# Altium PCB Dart_Controller_PCB.PcbDoc (continued)
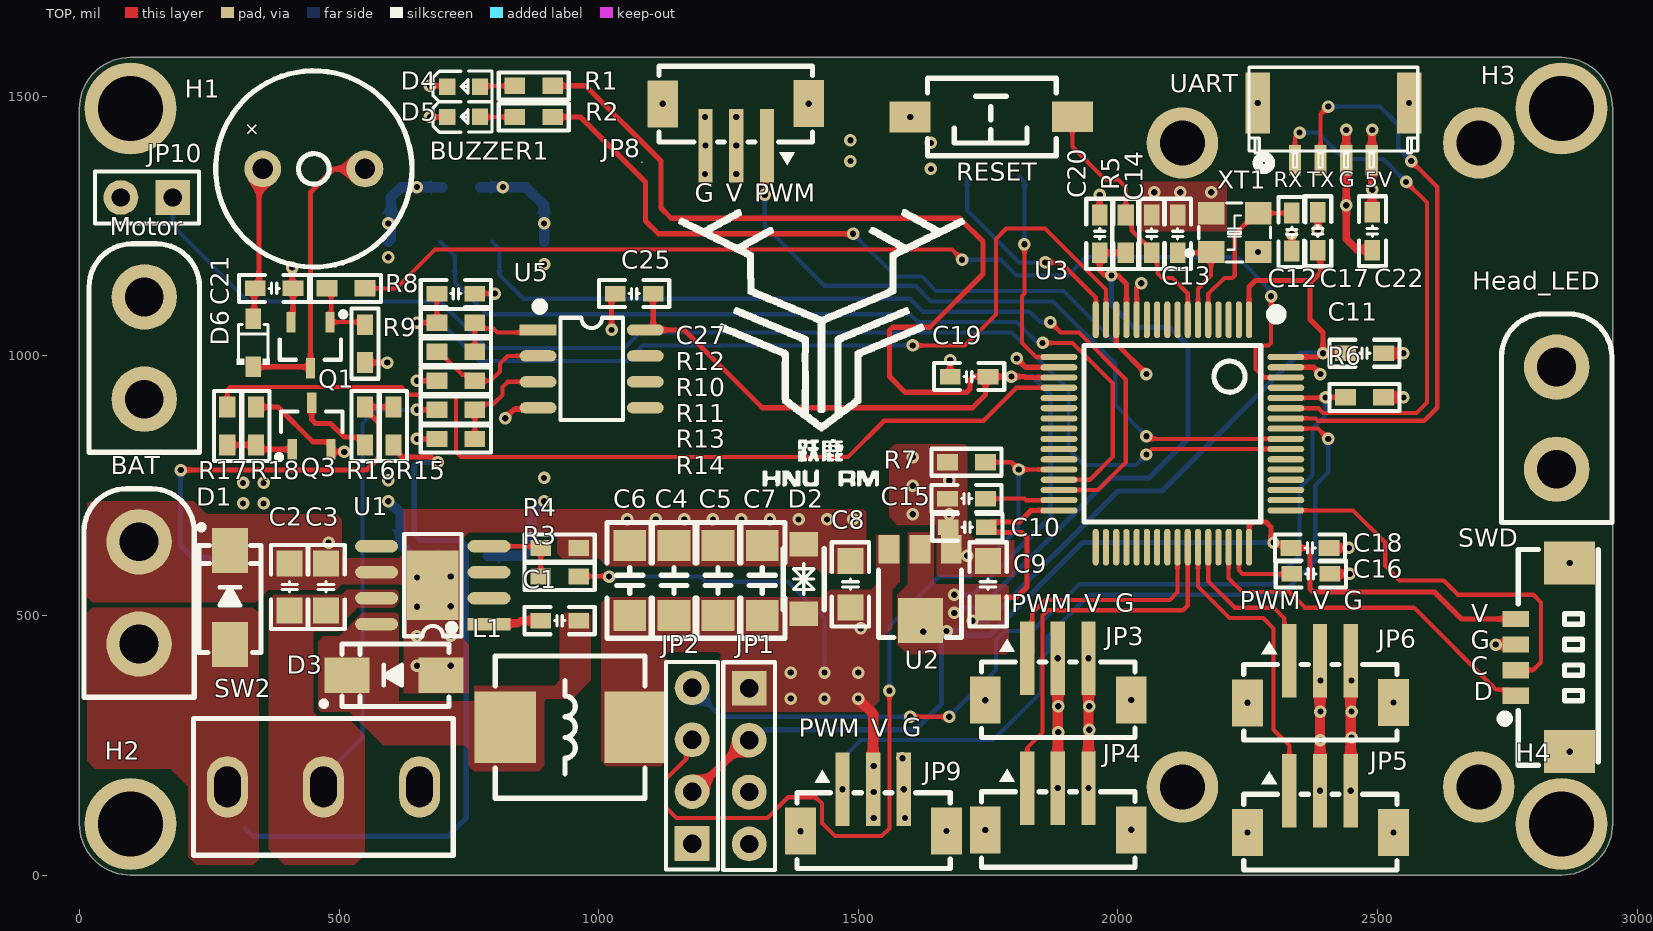
[diagram p0: TOP view]
## Footprints (in the part's own frame and the unit in brackets; to place one, negate y for a bottom-side part, rotate by r counter-clockwise, add the part's x,y. Pads: shape width x height; smd on the part's side, far side on the other; paste and mask are expansions set on the pad) (continued)
SMA [mm] "4.5x2.6*2.2mm（长宽高，不包括引脚）"
  rect 2.2x1.75 smd: 1(-2.3,0) 2(2.3,0)
  silkscreen extent -2.7,-1.52 3.56,1.52, body extent -2.53,-1.3 2.58,1.3, height 2.15
SOD-123FL_L2.8-W1.8-LS3.7-BI [mm]
  rect 1.2x1.4 smd paste+0 mask+0.051: 1(-1.7,0) 2(1.7,0)
  silkscreen extent -1.5,-1 1.5,1, body extent -1.9,-0.8 1.9,0.8, height 1.15
SOD-323_L1.8-W1.3-LS2.5-RD [mm]
  rect 1x0.75 smd: 1(-1.173,0) 2(1.173,0)
  silkscreen extent -1.08,-0.8 0.9,0.8, body extent -1.34,-0.63 1.31,0.67, height 1
SOP8_N [mm]
  rect 1.8x0.55 smd: 1(-2.625,1.905)
  oval 1.8x0.55 smd: 2(-2.625,0.635) 3(-2.625,-0.635) 4(-2.625,-1.905) 5(2.625,-1.905) 6(2.625,-0.635) 7(2.625,0.635) 8(2.625,1.905)
  silkscreen extent -2.69,-2.5 1.52,3.2, body extent -3,-2.5 3,2.5, height 1.9
SOT23-3L [mm] "3x1.3x1mm(长宽高)    封装库来自淘宝卖家 ID：黄晶宝石"
  rect 0.45x1 smd: 1(-0.95,-1.143) 2(0.95,-1.143) 3(0,1.125)
  silkscreen extent -1.73,-1.65 1.5,0.7, body extent -1.5,-1.2 1.5,1.2, height 1.05
SOT-89 [mil] "封装库来自淘宝卖家 ID：黄晶宝石"
  rect 40x55 smd: 1(-61.82,-0.57) 2(-1.82,-0.57) 3(58.18,-0.57)
  rect 86.61x86.61 smd: 2(-2.76,137.22)
  silkscreen extent -82,39 78,169, body extent -90,-6 87,163, height 59
SW-TH_SS-12D10L5 [mm]
  oval 2x3 hole 1.3 slot 2 at 90 deg paste-2539.97 mask+0.051: 1(-4.7,0) 2(0,0) 3(4.7,0)
  silkscreen extent -6.35,-3.35 6.35,3.35, body extent -6.5,-3.4 6.5,3.4, height 10.1
"TSW SMD-3*6*2.5" [mm] "3*6*2.5mm"
  rect 2x1.5 smd: 1(-3.996,-0.02) 2(3.937,0)
  silkscreen extent -3.21,-1.9 3.09,1.9, body extent -4,-1.88 4,1.62, height 2.59
XT30UPB-F [mm]
  round 3.2 hole 1.9: 1(-2.5,0) 2(2.5,0)
  silkscreen extent -5.1,-2.7 5.1,2.7, body extent -5.1,-2.6 5.1,2.6, height 9.4
XT30UPB-M [mm]
  round 3.2 hole 1.9: 1(-2.5,0) 2(2.5,0)
  silkscreen extent -5.1,-2.7 5.1,2.7, body extent -5.2,-2.7 5.2,2.6, height 12.6
XTAL_3225_4P [mm]
  rect 1.3x1.1 smd: 1(0,0) 2(2.3,0) 3(2.3,1.9) 4(0,1.9)
  silkscreen extent -1.18,-0.5 2.9,2.4, body extent -0.45,-0.29 2.75,2.21, height 0.8
ZH1.5 [mm]
  rect 0.7x3.6 smd paste+0 mask+0.05: 1(-1.391,1.843) 2(0.109,1.843) 3(1.609,1.843)
  rect 1.5x2.3 smd paste+0 mask+0.05: 4(3.701,-0.198) 5(-3.441,-0.207)
  silkscreen extent -3.62,-2.03 3.88,2.8, body extent -3.62,-2.24 3.88,2.96, height 5.1
铜柱孔#1 [mm]
  round 4.5 hole 3.2 mask+0: 1(-0.294,0.543)
铜柱孔#2 [mm]
  round 4.5 hole 3.2 mask+0: 1(-0.04,-0.04)
铜柱孔#3 [mm]
  round 4.5 hole 3.2 mask+0: 1(0,0)
铜柱孔#4 [mm]
  round 4.5 hole 3.2 mask+0: 1(0.157,0.087)

## Part data
BAT: "公头(立式)"
BUZZER1: "蜂鸣器", JLCPCB Part Class="Extended Part", Manufacturer=华能, Manufacturer Part=HNB09A05, nameAlias=Value, spicePre=B, spiceSymbolName=HNB09A05, Supplier=LCSC, Supplier Part=C96493
C1 C10 C11 C12 C13 C14 C15 C16 C17 C18 C19 C20 C21 C22 C23 C24 C25 C26 C27: library part "C 0603", "贴片电容", BOM名称=无极性贴片电容, 淘宝ID="封装库来自淘宝 ID：黄晶宝石", 联系售后=https://shop463601444.taobao.com
C2 C3 C8 C9: library part "C 0805", "贴片电容", BOM名称=无极性贴片电容, 淘宝ID="封装库来自淘宝 ID：黄晶宝石", 联系售后=https://shop463601444.taobao.com
C4 C5 C6 C7: library part "C 1206", "贴片电容", BOM名称=无极性贴片电容, 淘宝ID="封装库来自淘宝 ID：黄晶宝石", 联系售后=https://shop463601444.taobao.com
D1 D2: "双向瞬态电压抑制二极管"
D3: "肖特基二极管", BOM名称=肖特基二极管, 学习资源=https://shop463601444.taobao.com
D4 D5: library part LED_R, "发光二极管", LatestRevisionDate=08-Jul-2005, LatestRevisionNote="Mech Layer 1 removed.", PackageReference=LED-0, Published=8-Jun-2000, Publisher="Altium Limited"
D6: library part 1N4148WS, "开关二极管", BOM名称=肖特基二极管, 学习资源=https://shop463601444.taobao.com
H1 H2 H3 H4: library part 铜柱孔
Head_LED Motor: "母头(立式)"
JP1 JP2: "Header, 4-Pin", LatestRevisionDate=17-Jul-2002, LatestRevisionNote="Re-released for DXP Platform.", Publisher="Altium Limited"
JP3 JP4 JP5 JP6 JP8 JP9: JLCPCB Part Class="Extended Part", Manufacturer=HCTL(华灿天禄), Manufacturer Part=HC-ZH-3PLT, Contributor=LCSC, spicePre=C, spiceSymbolName=HC-ZH-3PLT, Supplier=LCSC, Supplier Part=C2845434
JP10: "Header, 2-Pin", LatestRevisionDate=17-Jul-2002, LatestRevisionNote="Re-released for DXP Platform.", Publisher="Altium Limited"
L1: "功率电感"
Q1 Q3: library part SS8050-SMD, "高频放大-NPN型", BOM名称=高频放大-NPN型, 属性="40V 1.5A 1W 100MHZ", 版权归属="封装库来自淘宝 ID：黄晶宝石", 联系售后=https://shop463601444.taobao.com
Q2: "P沟道场效应管"
R1 R2 R3 R4 R5 R6 R7 R8 R9 R10 R11 R12 R13 R14 R15 R16 R17 R18: library part "R 0603", "贴片电阻", BOM名称=贴片电阻, 版权归属="来自淘宝 ID：黄晶宝石", 联系售后=https://shop463601444.taobao.com
RESET: library part "TSW 3x6", "3x6轻触开关", BOM名称=3x6轻触开关, 学习资源=www.ooocke.com, 版权归属="封装库来自淘宝 ID：黄晶宝石"
SW2: "滑动开关", Manufacturer="XKB Connectivity(中国星坤)", Contributor=LCSC, Manufacturer Part=SS-12D10L5, spicePre=S, spiceSymbolName=SS-12D10L5, Supplier=LCSC, Supplier Part=C319012
SWD: JLCPCB Part Class="Extended Part", Manufacturer=HCTL(华灿天禄), Manufacturer Part=HC-1.25-4PLT, Contributor=LCSC, spicePre=C, spiceSymbolName=HC-1.25-4PLT, Supplier=LCSC, Supplier Part=C2845390
U1: "降压芯片"
U2: library part AMS1117-3.3V(SOT-89), "LDO", BOM名称=稳压芯片, 欢迎光临淘宝店铺=https://shop463601444.taobao.com, 淘宝ID="封装库来自淘宝 ID：黄晶宝石"
U3: "ARM Cortex-M4 32-bit MCU+FPU, 210 DMIPS, 1024 kB Flash, 192 kB Internal RAM, 51 I/Os, 64-pin LQFP, -40 to 85 degC, Tray", I/Os (High Current)=51, Manufacturer=STMicroelectronics, Operating Frequency(F) (Processor speed) (MHz)=168, Supplier Part Number 1=497-11767-ND, Supply Voltage(Vcc) max (V)=3.6, Supply Voltage(Vcc) min (V)=1.8, ComponentLink1Description="Manufacturer URL", ComponentLink1URL=http://www.st.com/web/en/home.html, ComponentLink2Description=Datasheet, ComponentLink2URL=http://www.st.com/st-web-ui/static/active/en/resource/technical/document/datasheet/DM00037051.pdf, ComponentLink3Description="Package Specification", ComponentLink3URL=http://www.st.com/st-web-ui/static/active/en/resource/technical/document/datasheet/DM00037051.pdf, Core="ARM Cortex-M4", D/A Converter=2x12-bit, DatasheetVersion="Rev. 4", FLASH Size (Prog) (kB)=1024, Internal RAM Size (kB)=192, Mounting Technology="Surface Mount", PackageDescription="64-Pin Low Profile Quad Flat Package, 10 x 10 mm Body, 0.5 mm Pitch", PackageReference=LQFP64, PackageVersion="Rev. 4, 06/2013", Packing=Tray, PartNumber=STM32F405RGT6, Supplier 1=Digi-Key, Supplier 2=Farnell, Supplier 3=Newark, Supplier 4=Mouser, Supplier Part Number 2=2064363, Supplier Part Number 3=73T2329, Supplier Part Number 4=511-STM32F405RGT6
U4: library part IMU
U5: "运算放大器", JLCPCB Part Class="Extended Part", Manufacturer=TI(德州仪器), Manufacturer Part=OPA365AIDBVR, Contributor=LCSC, spicePre=U, spiceSymbolName=OPA365AIDBVR, Supplier=LCSC, Supplier Part=C96626
U6: "数传"
UART: JLCPCB Part Class="Extended Part", Manufacturer=XUNPU(讯普), Manufacturer Part=WAFER-GH1.25-4PLB, Contributor=lcsc, spicePre=U, spiceSymbolName=WAFER-GH1.25-4PLB, Supplier=LCSC, Supplier Part=C3029370
XT1: library part X322512MSB4SI, "无源晶振/外接20pf负载电容"

## Free pads (board coordinates)
  round 137.8 hole 86.61 mask+0: 1(2124.13,169.84) 1(2124.13,1410) 1(2695,169.84) 1(2695,1410)

## Via types
v1: diameter 24, hole 12, TOP to BOTTOM, tented both sides, 157 vias
v2: diameter 24, hole 12, TOP to BOTTOM, 4 vias

## Nets (pads, with @x,y where several pads share a name; then routed paths per layer and width w, separated by ;. In a path a pad name is that pad's centre, name@x,y a point inside that pad or via, vN(x,y) a via of type N, cw(c..) or ccw(c..) an arc to the next point about the centre after c; other vN are vias at no path point)
BAT_V_ADC: C27.2 R12.2 U3.15 | length 1749.7
  TOP w8: v1(650,1064) R12.2 C27.2 ; v1(1605,1020) 1705,1020 1765,1080 1765,1225 1785,1245 1860,1245 1977.05,1127.95 U3.15
  BOTTOM w8: v1(650,1064) 696,1064 770,990 1055,990 1085,1020 v1(1605,1020)
BOOT0: JP2.4 R6.2 U3.60 | length 1796.3
  TOP w8: v1(1600,305) v1(1675,305) ; U3.60 2324.06,919.45 2399.45,919.45 v1(2400,920) R6.2
  BOTTOM w8: JP2.4 1235.71,305 v1(1600,305) ; v1(1675,305) 1765,395 1765,452.39 1782.61,470 1835,470 1925,560 2295,560 2350,615 2350,745 2375,770 2375,860 2400,885 v1(2400,920)
BOOT1: JP2.3 R7.2 U3.28 | length 1640.7
  TOP w8: JP2.3 1168.72,249.43 1168.72,223.72 1130,185 1130,130 1150,110 1325,110 1365,150 1417.66,150 1430,137.66 1430,100 1455,75 1545,75 1560,90 v1(1560,355) ; R7.2@1746.5,795 1795,795 v1(1808.9,781.1) U3.28
  BOTTOM w8: v1(1560,355) 1560,480 1655,575 1715,575 1808.9,668.9 v1(1808.9,781.1)
GND: BAT.2 C2.1 C3.1 C4.1 C5.1 C6.1 C7.1 C8.1 C9.1 C10.1 C11.1 C12.2 C13.2 C14.1 C15.2 C16.2 C17.1 C18.1 C19.1 C20.1 C21.2 C22.2 C23.1 C24.2 C25.1 C26.2 C27.1 D1.2 D2.2 D3.1 D4.1 D5.1 H1.1 H2.1 H3.1 H4.1 Head_LED.2 JP1.3 JP1.4 JP2.1 JP3.3 JP3.4 JP3.5 JP4.3 JP4.4 JP4.5 JP5.3 JP5.4 JP5.5 JP6.3 JP6.4 JP6.5 JP8.3 JP8.4 JP8.5 JP9.3 JP9.4 JP9.5 JP10.2 Motor.2 pad.1 Q1.2 Q3.2 R4.1 R6.1 R7.1 R9.1 R11.1 R14.1 R18.2 RESET.2 SWD.3 SWD.5 SWD.6 U1.6 U1.9 U2.1 U3.12 U3.18 U3.63 U4.5 U4.8 U5.4 U6.2 UART.3 UART.5 UART.6 XT1.2 XT1.4 | length 2426.9
  TOP w8: v1(650,840) R14.1 ; v1(650,952) R11.1 ; v1(675,1460) 675.14,1459.86 D5.1 ; v1(675,1520) 706.82,1520 D4.1 ; C27.1 v1(800,1120)
  TOP w10: R18.2 382.44,901.5 449.25,834.69 480.94,834.69 484.8,830.83 484.8,818.86 488.66,815 v1(510,815) ; Q1.2 407.6,1075.83 411.5,1079.73 C21.2 410,1131.5 v1(410,1170) ; R9.1 v1(593,987) v1@595,985 ; v1(820,880) 837.77,897.77 881.08,897.77 U5.4 ; v1(1025,1050) 1025,1113 C25.1 ; C19.1 v1(1677,992) ; v1(1805,995) 1822.05,977.95 U3.18 ; C20.1 v1(1965,1310) ; U3.12 2036.1,1131.1 v1(2045,1140) ; U3.63 2377.05,977.95 v1(2390,965) ; C12.2 v1(2335,1235) ; v1(2385,1241.5) C17.1
  TOP w15: C18.1 v1(2445,630) ; C16.2 v1(2446.5,580) ; v1(2440,1435) 2439.61,1434.61 UART.3 2439.8,1376.38 2439.8,1290.2 v1(2440,1290) 2439.61,1289.61 2439.61,1225.39 2460,1205 2488.5,1205 C22.2
  TOP w20: v1(1943.35,167.56) v1(1943.35,417.56) ; v1(2448.35,162.56) JP6.3 ; R6.1 v1(2550,920) ; C11.1 v1(2550,1005) ; v1(2727.5,444.06) SWD.3
  BOTTOM w20: C24.2 860,1325 895,1290 U4.5 ; C23.1 855,615 871.54,631.54 871.54,696.54 v1(895,720)
  other v1: 2249.53,81.85 2530.7,82.2 1388.83,84.65 1670,85 1744.53,86.85 2025.7,87.2 1590,110 1587.65,165.36 1585,225 2870,237.64 2450,265 1945,280 2450,315 1945,325 2249.53,331.85 2530.7,332.2 1744.53,336.85 2025.7,337.2 2450,375 650,403.33 715,403.33 650,460 715,460.56 650,516.67 715,517.78 650,573.33 715,575 2870,601.28 1710,615 480,640 1055,685 1110,685 1165,685 1220,685 1275,685 1330,685 1385,685 1440,685 1490,685 1605,695 1675,695 1605,750 1675,760 895,765 1605,805 895,1176.27 2270,1200 895,1255 2070,1315 2120,1315 2180,1315 815.75,1325 1205,1350 1640,1360 1205.94,1405 1640,1410 1205,1460 1600,1460 1123.59,1485.36 1404.76,1485.71 2269.33,1486.81 2560.67,1486.81
LED: R2.2 U3.14 | length 1521.1
  TOP w10: R2.2 965,1460 1090,1335 1090,1260 1115,1235 v1(1490,1235) ; U3.14 1996.73,1023.27 v1(2055,965)
  BOTTOM w8: v1(1490,1235) 1572.5,1152.5 1622.5,1152.5 1650,1125 1895,1125 v1(2055,965)
Motor_Power_Ctrl: R17.2 U3.20 | length 1809.8
  TOP w8: R17.2 285,935 290,940 620,940 635,925 720,925 725,920 725,815 735,805 1480,805 1550,875 1741.32,875 1804.9,938.58 U3.20
NetBUZZER1_2: BUZZER1.2 D6.1 Q1.3 | length 574.2
  TOP w10: D6.1 441.87,978.84 Q1.3 445,1315 490,1360 BUZZER1.2
NetC1_1: C1.1 D3.2 L1.1 U1.8
NetC1_2: C1.2 U1.1 | length 102.4
  TOP w15: U1.1 790.55,485 845,485 850,490 C1.2
NetC12_1: C12.1 U3.5 XT1.3 | length 321.5
  TOP w8: U3.5 2173.9,1118.9 2205,1150 2220.31,1150 2225,1154.69 2225,1233.74 2266.06,1274.8 XT1.3 2334.8,1274.8 C12.1
NetC13_1: C13.1 U3.6 XT1.1 | length 206
  TOP w8: C13.1 2177.95,1198.5 XT1.1 2179.45,1154.45 2154.21,1129.21 U3.6
NetC15_1: C15.1 U3.31 | length 142.7
  TOP w8: C15.1 1820,725 1822.95,722.05 U3.31
NetC16_1: C16.1 U3.47 | length 149.4
  TOP w8: U3.47 2232.95,587.05 2240,580 C16.1
NetD4_2: D4.2 R1.1 | length 67.6
  TOP w8: D4.2 772.9,1520 R1.1
NetD5_2: D5.2 R2.1 | length 67.1
  TOP w8: D5.2 771.61,1460 R2.1
NetQ1_1: Q1.1 R8.2 R9.2 | length 139.1
  TOP w8: R8.2 485,1122 485,1067.6 Q1.1 545,1065 R9.2
NetQ2_G: Q2.G R15.1 R16.2 | length 789.6
  TOP w10: v1(195,780) 552.8,780 576.75,803.94 576.75,870.5 550,897.25 R16.2 R15.1
  BOTTOM w10: v1(195,780) 195,635 218.11,611.89 249.25,611.89 260,601.15 Q2.G
NetQ3_1: Q3.1 R17.1 R18.1 | length 128.5
  TOP w10: R17.1 R18.1 348.5,820 Q3.1
NetQ3_3: Q3.3 R16.1 | length 157.1
  TOP w10: Q3.3 447.4,877.6 455,870 483.88,870 510.38,843.5 539.25,843.5 550,832.75 R16.1
NetR3_1: R3.1 R4.2 U1.4 | length 156
  TOP w8: U1.4 885.19,633.31 R4.2 R3.1
NetR10_1: R10.1 R11.2 U5.2 | length 246.7
  TOP w8: R10.1 692.75,1008 737,963.75 749.75,963.75 R11.2 792,952 810,970 810,985 825,1000 U5.2
NetR10_2: R10.2 R12.1 U5.1 | length 187.7
  TOP w8: R10.2 R12.1 773.25,1052.25 797.75,1052.25 805,1045 878.31,1045 U5.1
NetR13_2: R13.2 R14.2 U5.3 | length 209
  TOP w8: R14.2 R13.2 773.25,907.75 797.75,907.75 815,925 815,940 825,950 U5.3
RESET: C14.2 R5.1 RESET.1 U3.7 | length 509.7
  TOP w8: RESET.1 1912.31,1402.69 1975,1340 2000,1340 2015,1325 R5.1 2026.75,1259.75 2026.75,1241.75 2065,1203.5 C14.2 2076,1187.5 2076,1159 2085,1150 2105,1150 2134.53,1120.47 U3.7
SWCLK: SWD.2 U3.49 | length 761.6
  TOP w8: U3.49 2452.64,702.36 2515,640 2515,595 2542.5,567.5 2627.5,567.5 2655,540 2800,540 2815,525 2815,410 2799.85,394.85 SWD.2
SWDIO: SWD.1 U3.46 | length 706.1
  TOP w8: U3.46 2213.27,571.73 2240,545 2330,545 2360,515 2570,515 2727.61,357.39 2754.25,357.39 SWD.1
TIM1_CH1: JP3.1 U3.41 | length 474.5
  TOP w8: JP3.1 1835,427.33 1835,505 1860,530 2100,530 2114.84,544.84 U3.41
TIM1_CH2: JP4.1 U3.42 | length 744.2
  TOP w8: JP4.1 1825.74,168.07 1825.74,245.74 1855,275 1855,499.8 1865.2,510 2125,510 2134.53,519.53 U3.42
TIM1_CH3: JP5.1 U3.43 | length 579.9
  TOP w8: U3.43 2154.21,555.79 2215,495 2280,495 2300,475 2300,280 2330.24,249.76 JP5.1
TIM1_CH4: JP6.1 U3.44 | length 327.6
  TOP w8: U3.44 2173.9,566.1 2225,515 2300,515 2320.46,494.54 2320.46,422.34 JP6.1
TIM2_CH2: JP10.1 U3.55 | length 2493.9
  TOP w8: v1(2055,810) 2065.47,820.47 U3.55
  BOTTOM w8: JP10.1 180,1250 325,1105 695,1105 785,1015 1050,1015 1080,1045 1795,1045 1905,935 1905,820 1935,790 2035,790 v1(2055,810)
TIM3_CH1: JP8.1 U3.56 | length 1376.8
  TOP w8: v1(1320,1310) 1322.03,1312.03 1322.03,1402.97 JP8.1 ; v1(2055,845) 2058.79,845 2063.63,840.16 U3.56
  BOTTOM w8: v1(1320,1310) 1320,1250 1435,1135 1610,1135 1640,1105 1875,1105 1995,985 1995,905 v1(2055,845)
TIM3_CH2: JP9.1 U3.57 | length 1518.1
  TOP w8: U3.57 2385.16,859.84 v1(2405,840)
  BOTTOM w8: v1(1469.54,165.36) 1469.54,224.54 1505,260 1760,260 1852.5,352.5 1852.5,416.88 1865,429.38 1865,460.2 1944.8,540 2315,540 2380,605 2380,750 2405,775 v1(2405,840)
TIM4_CH4: R8.1 U3.62 | length 2078.5
  TOP w8: R8.1 610,1130 685,1205 1680.58,1205 1700,1185.58 v1(1700,1185) ; v1(2295,1115) 2295,1024.69 2290.31,1020 2269.69,1020 2265,1015.31 2265,975 2281.73,958.27 U3.62
  BOTTOM w8: v1(1700,1185) 1775,1185 1805,1155 1904.05,1155 1939.05,1190 2230,1190 2295,1125 v1(2295,1115)
UART1_RX: U3.59 UART.1 | length 1026.6
  TOP w8: U3.59 2385.79,899.21 2395,890 2575,890 2595,910 2595,1295 v1(2555,1335) ; UART.1 2341.18,1421.18 v1(2350,1430)
  BOTTOM w8: v1(2350,1430) 2385,1430 2435.97,1379.03 2510.97,1379.03 v1(2555,1335)
UART1_TX: U3.58 UART.2 | length 1138.8
  TOP w8: U3.58 2380.47,879.53 2385,875 2590,875 2615,900 2615,1325 v1(2565,1375) ; UART.2 2390.39,1465.39 v1(2405,1480)
  BOTTOM w8: v1(2405,1480) 2505,1480 2540,1445 2540,1400 v1(2565,1375)
UART2_RX: U3.17 U6.4 | length 409
  TOP w8: v1(1820,1215) 1820,1120.34 1815,1115.34 1815,1025 1842.36,997.64 U3.17
  BOTTOM w8: U6.4 1820,1335 v1(1820,1215)
UART2_TX: U3.16 U6.3 | length 424.8
  TOP w8: v1(1860,1180) 1890,1180 1957.36,1112.64 U3.16
  BOTTOM w8: U6.3 1710,1280 1810,1180 v1(1860,1180)
UART3_RX: U3.30 U4.4 | length 1669.6
  TOP w8: v1(1870,1065) 1890,1045 1925,1045 2015,955 2015,795 1961.73,741.73 U3.30
  BOTTOM w8: U4.4 809.26,1205.74 809.26,1155.74 855,1110 1600,1110 1625,1085 1830,1085 1850,1065 v1(1870,1065)
UART3_TX: U3.29 U4.3 | length 1701.3
  TOP w8: v1(1855,1025) 1912.57,1025 1990,947.57 1990,805 1946.42,761.42 U3.29
  BOTTOM w8: U4.3 723.46,1191.54 723.46,1141.54 785,1080 1600,1080 1615,1065 1805,1065 1842.32,1027.68 1852.32,1027.68 v1(1855,1025)
VBAT: BAT.1 D1.1 Q2.S R15.2 SW2.1 | length 1363.5
  TOP w10: R15.2 615.75,817.75 615.75,810.86 621.61,805 677.14,805 687.14,795 v1(690,795)
  BOTTOM w10: 320,90 335,75 710,75 745,110 745,635 735,645 655,645 645,655 645,789.14 650.86,795 v1(690,795)
VBAT_IN: C2.2 C3.2 R13.1 SW2.2 U1.7 | length 885.3
  TOP w8: v1(650,896) R13.1
  BOTTOM w8: SW2.2 470.04,189.68 545,264.64 545,870 571,896 v1(650,896)
VBAT_Motor: Motor.1 Q2.D
  other v2: 315.31,715.91 354.68,715.91 315.31,755.28 354.68,755.28
VCC_3V3: C9.2 C10.2 C11.2 C17.2 C18.2 C19.2 C20.2 C25.2 JP1.2 JP2.2 R1.2 R5.2 SWD.4 U2.2 U3.1 U3.13 U3.19 U3.32 U3.48 U3.64 U5.8 | length 8287.6
  TOP w10: R1.2 975,1520 1120,1375 1120,1285 1140,1265 1695,1265 1740,1220 1740,1157.47 1637.53,1055 1565.86,1055 1560,1049.14 1560,960 1590,930 1709.14,930 1715,935.86 1715,954.14 1720.86,960 C19.2 ; U5.8 U5.8@1099.62,1050 ; C25.2 1105,1055.38 U5.8@1099.62,1050 ; 1782.3,535 1805,535 1825,555 1825,650 1815,660 1756.5,660 C10.2 1756.5,680 1810,680 1832.36,702.36 U3.32 ; U3.19 1821.73,958.27 1820,960 v1(1795,960) C19.2 ; U3.13 2016.42,1138.58 2000,1155 v1(1987.5,1155) 1975,1155 1965,1165 C20.2 R5.2 R5.2@2016.42,1197.08 ; U3.48 2252.98,631.84 2252.98,672.98 2260,680 2285,680 2295,670 2295,645 2304.36,635.64 2327.86,635.64 C18.2 2364.14,630 2370,624.14 2370,550.86 2375.86,545 2610,545 2661.72,493.28 SWD.4 ; U3.1 2252.64,1132.64 2265,1145 2375,1145 ; U3.64 2383.85,997.64 2391.21,1005 v1(2395,1005) ; C17.2 2390,1198.5 2390,1160 2375,1145 ; C11.2 v1(2395,1005) ; U5.8@1099.62,1050 1165,1050 1315,900 1720,900 1745,925 1745,955 C19.2 ; 2375,1145 2370,1140 2370,1070 2395,1045 v1(2395,1005)
  TOP w15: JP2.2 1185.35,160.71 1284.65,260 JP1.2
  BOTTOM w10: JP1.2@1300,260 1320,280 1610,280 1660,330 1660,448.8 1642.74,466.07 1627.68,466.07 v1(1625,468.75) ; v1(1670,470) 1701.75,470 1710,461.75 1753.14,461.75 1931.72,640.32 v1(2299.68,640.32) ; v1(1685,505) 1687.86,505 1697.86,515 1735,515 1985,765 2060,765 2135,840 2135,1020 2100,1055 2030,1055 1987.5,1097.5 v1(1987.5,1155) ; v1(1685,540) 1720,540 1870,690 1870,925 1835,960 v1(1795,960) ; v1(1720,490) 1750,490 2000,740 2085,740 2350,1005 v1(2395,1005)
  BOTTOM w15: JP2.2@1174.74,165.96 JP2.2
VCC_5V: BUZZER1.1 C4.2 C5.2 C6.2 C7.2 C8.2 C21.1 C22.1 C23.2 C24.1 C26.1 D2.1 D6.2 Head_LED.1 JP1.1 JP3.2 JP4.2 JP5.2 JP6.2 JP8.2 JP9.2 L1.2 R3.2 U2.3 U4.2 U4.11 U6.1 UART.4 | length 2145
  TOP w8: R3.2 962.15,575.65 v1@1018.52,575.65
  TOP w10: D6.2@336.75,1072.91 C21.1@336.75,1128.25 ; C21.1@345.82,1135 BUZZER1.1@345.82,1352.68
  TOP w15: C22.1 2489.41,1277.09 2489.41,1375.98 UART.4 2489.41,1377.17 2489.41,1434.41 v1(2490,1435)
  TOP w20: D6.2 D6.2@336.75,1072.91 ; C21.1@336.75,1128.25 C21.1 340.82,1130 C21.1@345.82,1135 ; BUZZER1.1@345.82,1352.68 BUZZER1.1 ; v1(1500,340) 1500,338.92 1528.59,310.33 JP9.2 ; v1(1884.29,167.56) v1(1884.29,417.56) ; v1(2389.29,162.56) JP6.2
  BOTTOM w8: v1(1020,575) 1195,575 1205,565 1365,565 1435,495 v1(1435,390)
  BOTTOM w20: v1(595,720) 618.46,696.54 618.46,636.72 640.18,615 C23.2 ; U4.2 600,1225 600,1305 620,1325 C24.1
  other v1: 1530,110 1530,160 1530,210 2390,260 1885,275 2390,315 1885,325 1370,340 1435,340 2390,375 1370,390 1500,390 1505,475 595,760 595,1190 595,1255 2490,1320 650,1325 1265,1350 1485,1375 1265,1405 1485,1415 1265,1460
pads on no net: SW2.3 U1.2 U1.3 U1.5 U1.10 U1.11 U3.2 U3.3 U3.4 U3.8 U3.9 U3.10 U3.11 U3.21 U3.22 U3.23 U3.24 U3.25 U3.26 U3.27 U3.33 U3.34 U3.35 U3.36 U3.37 U3.38 U3.39 U3.40 U3.45 U3.50 U3.51 U3.52 U3.53 U3.54 U3.61 U4.1 U4.6 U4.7 U4.9 U4.10 U4.12 U5.5 U5.6 U5.7 U6.0 U6.5 U6.6 U6.7 U6.8

## Polygon pours and split planes (outlines as drawn)
GND on BOTTOM "GND_L04_P016" (solid, pour order 16): 860,715 1435,715 1465,685 1465,320 1460,315 1355,315 1335,335 1335,405 1305,435 860,435
VBAT_Motor on BOTTOM "VBAT_MOTOR_L04_P015" (solid, pour order 15): 20,985 445,985 440,980 440,655 240,655 230,665 230,795 205,820 20,820
VBAT on BOTTOM "VBAT_L04_P014" (solid, pour order 14): 20,515 290,515 290,620 495,620 515,600 515,305 455,305 380,230 380,35 365,20 215,20 200,35 200,175 175,200 20,200
GND on BOTTOM "GND_L04_P013" (solid, pour order 13): 1565,1425 1660,1425 1660,1320 1570,1320 1565,1325 1565,1420
VCC_5V on BOTTOM "VCC_5V_L04_P012" (solid, pour order 12): 1470,1430 1550,1430 1550,1330 1545,1325 1470,1325 1470,1425
GND on TOP (solid, pour order 18): 1650,580 1655,575 1800,575 1800,645 1725,645 1710,660 1710,825 1705,830 1650,830 1570,830 1560,820 1560,690 1575,675 1650,675
GND on TOP "GND_L01_P011" (solid, pour order 11): 2210,1335 2210,1240 2045,1240 2045,1335
VCC_3V3 on TOP "VCC_3V3_L01_P009" (solid, pour order 9): 1595,660 1645,660 1645,565 1650,560 1785,560 1790,555 1790,430 1785,425 1595,425 1575,445 1575,540 1595,560
GND on TOP "TOP-GND" (solid, pour order 8): 15,535 25,525 340,525 365,550 495,550 505,560 620,560 625,555 625,350 750,350 750,445 735,460 735,645 750,660 910,660 920,650 920,620 930,610 1000,610 1015,595 1415,595 1430,580 1515,580 1515,700 1510,705 625,705 625,620 615,610 515,610 505,620 505,685 495,695 245,695 220,720 20,720 15,715
VCC_5V on TOP "VCC_5V_L01_P006" (solid, pour order 6): 1020,535 1430,535 1445,550 1525,550 1535,560 1535,655 1580,655 1580,565 1565,550 1565,475 1540,450 1540,335 1520,315 1240,315 1235,320 1235,425 1230,430 1135,430 1130,425 1130,220 1120,210 1015,210 1005,220 1005,525
NetC1_1 on TOP "NETC1_1_L01_P003" (solid, pour order 3): 545,505 610,505 615,500 615,416.39 614.59,415.97 614.59,335.41 615,335 760,335 760,365 915,365 925,375 925,495 935,505 980,505 985,500 985,375 950,340 900,340 895,335 895,210 885,200 760,200 750,210 750,240 740,250 585,250 520,315 465,315 460,320 460,450 470,460 500,460
VBAT_IN on TOP "VBAT_IN_L01_P001" (solid, pour order 1): 375,540 505,540 515,550 610,550 615,545 615,525 605,515 535,515 515,495 515,485 500,470 450,470 450,315 460,305 515,305 550,270 550,40 530,20 395,20 365,50 365,530
VBAT on TOP "VBAT_L01_P000" (solid, pour order 0): 25,515 335,515 345,505 345,30 335,20 225,20 210,35 210,170 175,205 30,205 15,220 15,505
VCC_5V on PWR03 (split plane): 2862.02,1554.42 2869.63,1553.29 2877.09,1551.42 2884.34,1548.83 2891.3,1545.54 2897.9,1541.58 2904.08,1537 2909.78,1531.83 2914.95,1526.13 2919.53,1519.95 2923.49,1513.34 2926.78,1506.39 2929.37,1499.14 2931.24,1491.68 2932.37,1484.06 2932.72,1477 2932.66,1476.38 2932.66,98.43 2932.72,97.81 2932.37,90.74 2931.24,83.13 2929.37,75.66 2926.78,68.42 2923.49,61.46 2919.53,54.86 2914.95,48.68 2909.78,42.97 2904.08,37.81 2897.9,33.22 2891.3,29.27 2884.34,25.97 2877.09,23.38 2869.63,21.51 2862.02,20.38 2854.95,20.04 2854.33,20.1 98.43,20.1 97.81,20.04 90.74,20.38 83.13,21.51 75.66,23.38 68.42,25.97 61.46,29.27 54.86,33.22 48.68,37.81 42.97,42.97 37.81,48.68 33.22,54.86 29.27,61.46 25.97,68.42 23.38,75.66 21.51,83.13 20.38,90.74 20.04,97.81 20.1,98.43 20.1,1476.38 20.04,1477 20.38,1484.06 21.51,1491.68 23.38,1499.14 25.97,1506.39 29.27,1513.34 33.22,1519.95 37.81,1526.13 42.97,1531.83 48.68,1537 54.86,1541.58 61.46,1545.54 68.42,1548.83 75.66,1551.42 83.13,1553.29 90.74,1554.42 97.81,1554.77 98.43,1554.71 2854.33,1554.71 2854.95,1554.77
GND on GND02 (split plane): 2862.02,1554.42 2869.63,1553.29 2877.09,1551.42 2884.34,1548.83 2891.3,1545.54 2897.9,1541.58 2904.08,1537 2909.78,1531.83 2914.95,1526.13 2919.53,1519.95 2923.49,1513.34 2926.78,1506.39 2929.37,1499.14 2931.24,1491.68 2932.37,1484.06 2932.72,1477 2932.66,1476.38 2932.66,98.43 2932.72,97.81 2932.37,90.74 2931.24,83.13 2929.37,75.66 2926.78,68.42 2923.49,61.46 2919.53,54.86 2914.95,48.68 2909.78,42.97 2904.08,37.81 2897.9,33.22 2891.3,29.27 2884.34,25.97 2877.09,23.38 2869.63,21.51 2862.02,20.38 2854.95,20.04 2854.33,20.1 98.43,20.1 97.81,20.04 90.74,20.38 83.13,21.51 75.66,23.38 68.42,25.97 61.46,29.27 54.86,33.22 48.68,37.81 42.97,42.97 37.81,48.68 33.22,54.86 29.27,61.46 25.97,68.42 23.38,75.66 21.51,83.13 20.38,90.74 20.04,97.81 20.1,98.43 20.1,1476.38 20.04,1477 20.38,1484.06 21.51,1491.68 23.38,1499.14 25.97,1506.39 29.27,1513.34 33.22,1519.95 37.81,1526.13 42.97,1531.83 48.68,1537 54.86,1541.58 61.46,1545.54 68.42,1548.83 75.66,1551.42 83.13,1553.29 90.74,1554.42 97.81,1554.77 98.43,1554.71 2854.33,1554.71 2854.95,1554.77

## Silkscreen, mask and mechanical layers (free items; w line width, h text height)
Top Overlay:
  drawing of 12 lines, arcs and shapes, not listed
  text "G" at 2425,1315.52 h50
  text "5V" at 2475,1315.52 h50
  text "RX" at 2300,1315 h50
  text "TX" at 2365,1315 h50
  text "G" at 1185,1285.62 h60
  text "V" at 1245.04,1285 h60
  text "PWM" at 1300,1285 h60
  text "G" at 2435,500.62 h60
  text "PWM" at 2235,500 h60
  text "V" at 2375.04,500 h60
  text "G" at 1995,495.62 h60
  text "PWM" at 1795,495 h60
  text "V" at 1935.04,495 h60
  text "V" at 2680.04,475 h60
  text "G" at 2680,424.57 h60
  text "C" at 2680,374.14 h60
  text "D" at 2685,325 h60
  text "G" at 1585,255.62 h60
  text "PWM" at 1385,255 h60
  text "V" at 1525.04,255 h60
Mechanical 1:
  the board outline again, w10

## Dimensions
2854.33,1574.8 to 2854.33,0 on Mechanical 1
0,98.43 to 2952.76,98.43 on Mechanical 1

## Text inside footprints (layer, text, board x,y; h text height)
BUZZER1: Top Overlay "+" at 360.15,1438.83 h50 r135